# Altium PCB CRD25DA12N-FMC V1.1 (07-2023).PcbDoc (part 2 of 7)
Units mil, origin at the board's own origin, x right, y up, seen from the top; angles counter-clockwise.
Board outline 8000 x 8000 mil, 6 copper layers (Top Layer, Layer 2, Layer 3, Layer 4, Layer 5, Bottom Layer), stack 91 mil thick; 542 components, 315 nets, 1585 pads, 558 vias.
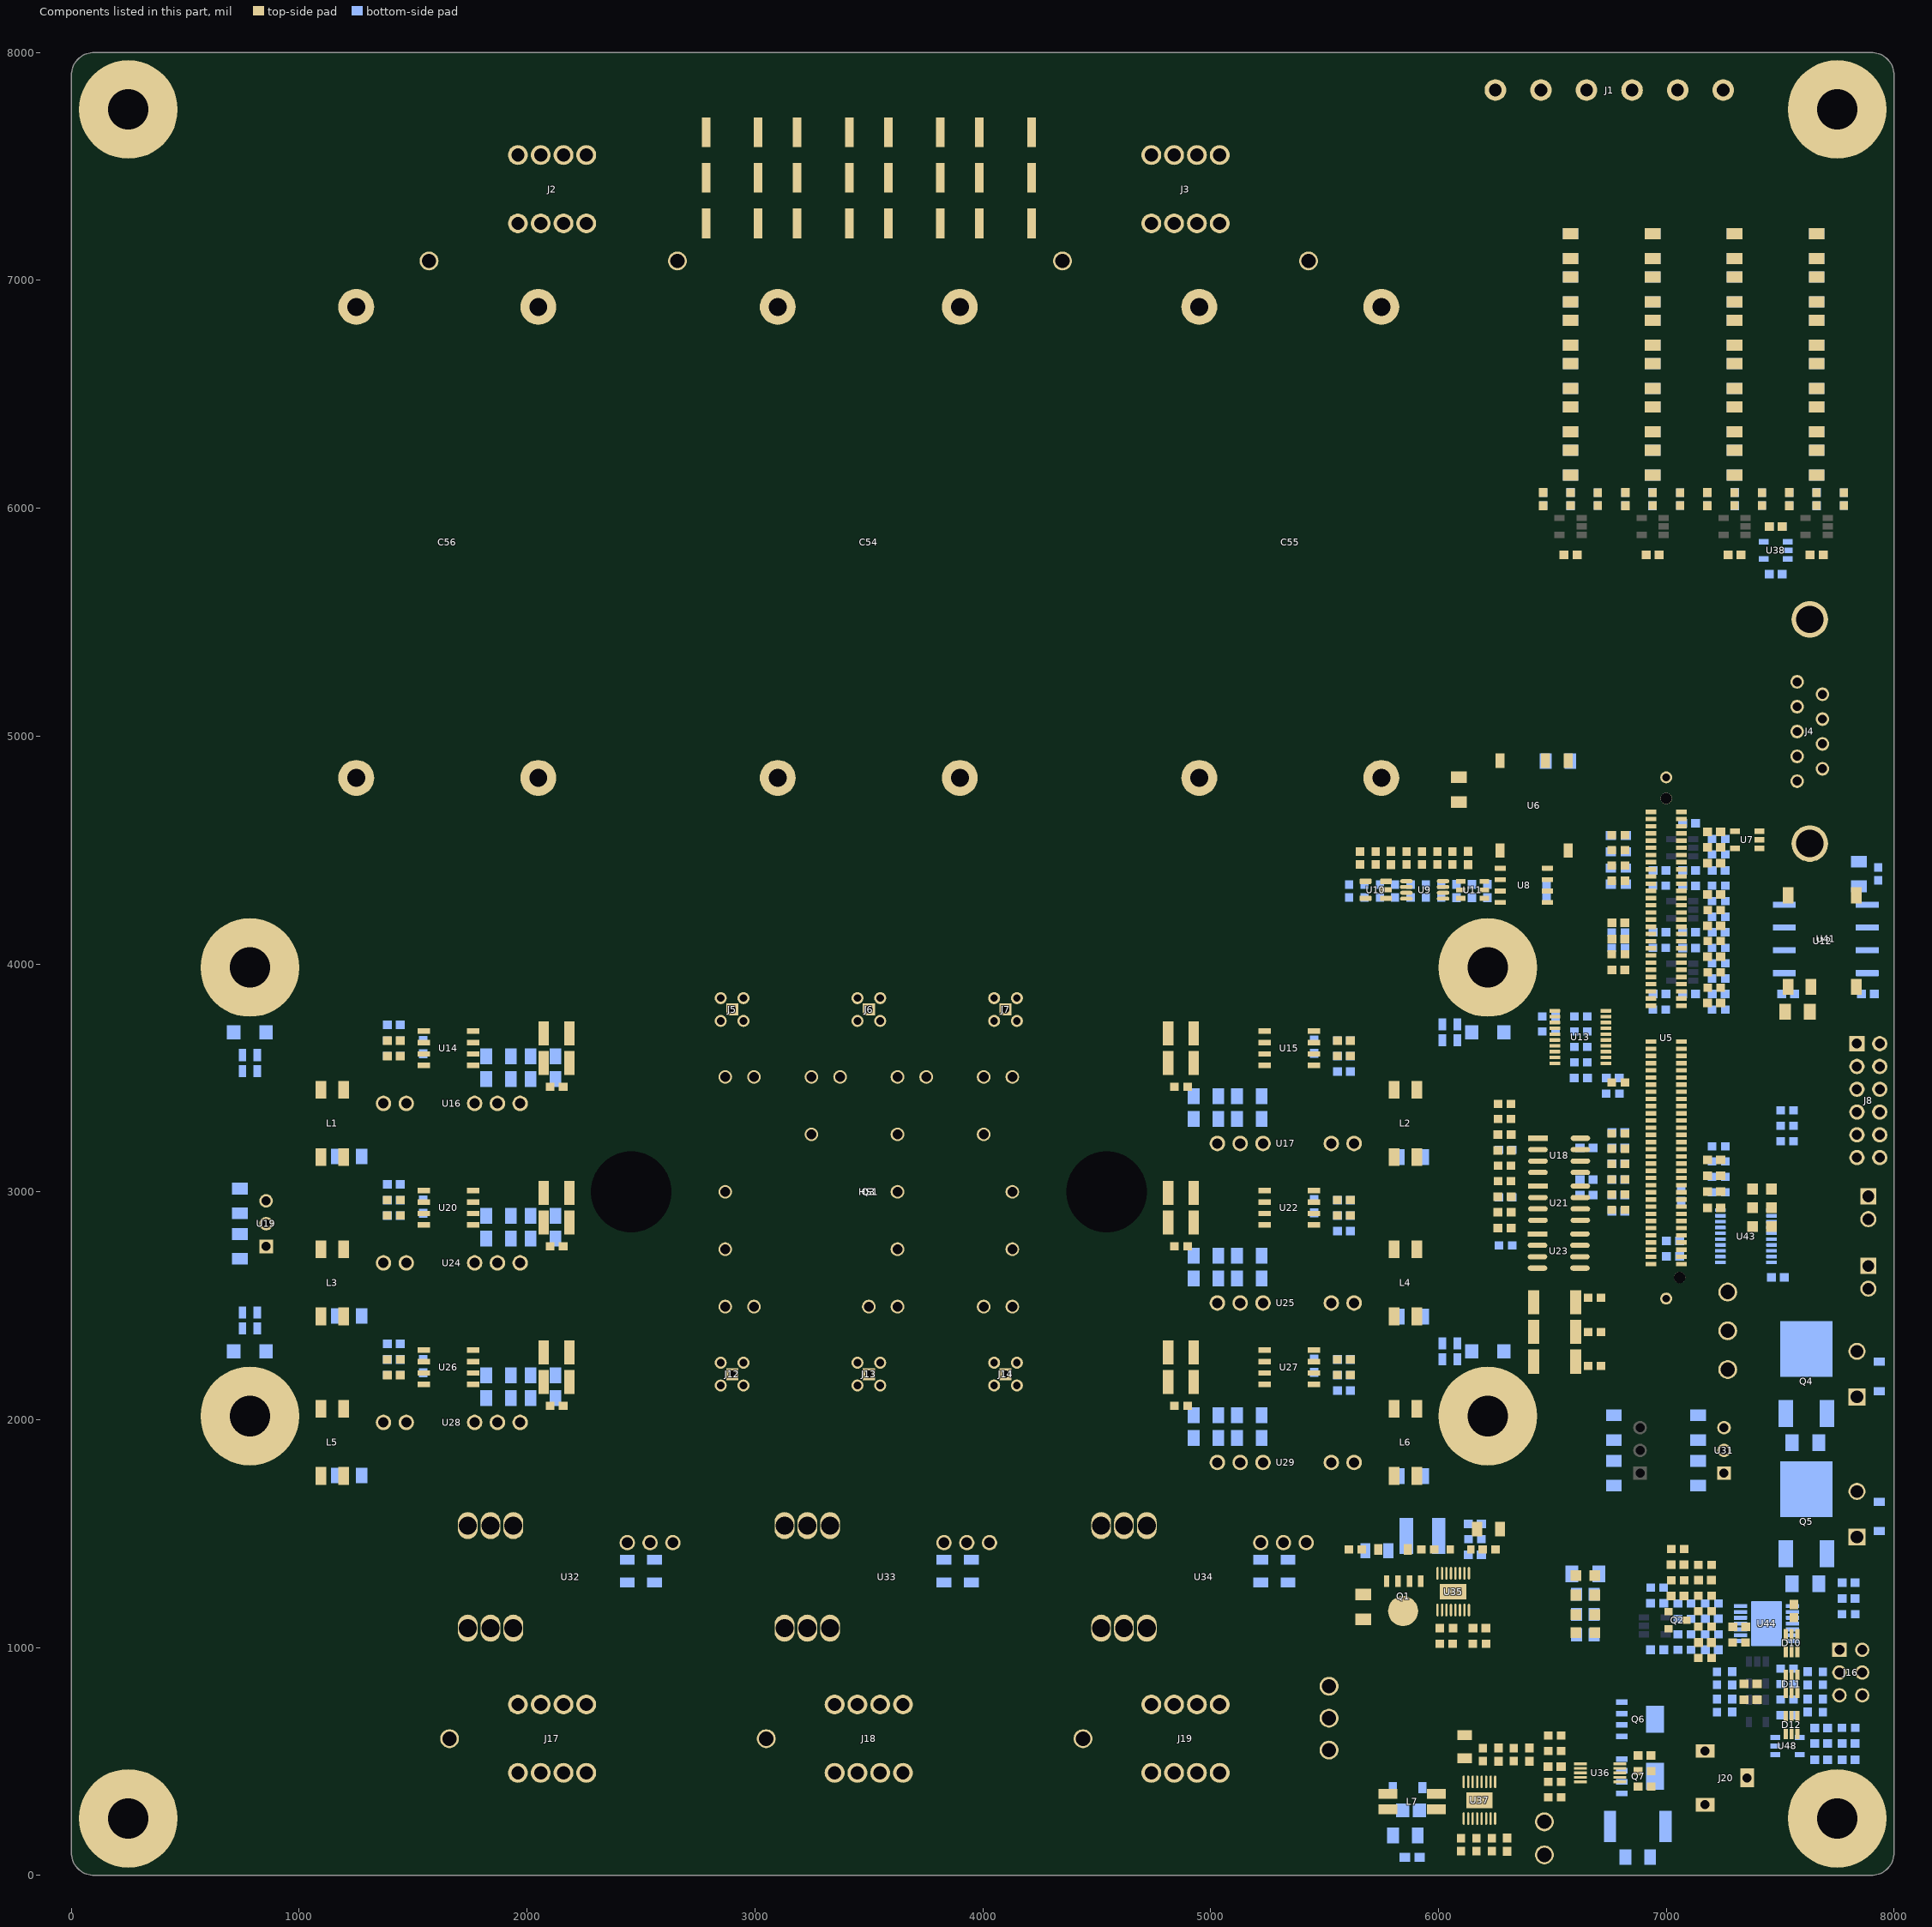
[diagram p6: the components of this part, seen from the top]

## Footprints (in the part's own frame and the unit in brackets; to place one, negate y for a bottom-side part, rotate by r counter-clockwise, add the part's x,y. Pads: shape width x height; smd on the part's side, far side on the other; paste and mask are expansions set on the pad) (continued)
CONV_R-78E5.0-1.0 [mm]
  rect 1.508x1.508 hole 1: 1(-2.54,-2.25)
  round 1.508 hole 1: 2(0,-2.25) 3(2.54,-2.25)
  silkscreen extent -6.5,-4.25 5.75,4.25, body extent -5.8,-4.25 5.8,4.25, height 9.9
CUI-PJ-102B_V [mm] "THD, 3-Leads, Body 14.4x9mm, Height 11mm"
  rect 1.5x2.1 hole 1 slot 1.6 at 90 deg: 1(-3,0) 2(3,0)
  rect 2.1x1.5 hole 1 slot 1.6 at 0 deg: 3(0,4.7)
  silkscreen extent -4.42,-4.5 10.7,4.9, body extent -3.7,-4.5 10.7,4.9, height 11
D0008B_HV [mm]
  rect 1.4x0.6 smd paste+0 mask+0: 1(-2.75,1.905) 2(-2.75,0.635) 3(-2.75,-0.635) 4(-2.75,-1.905) 5(2.75,-1.905) 6(2.75,-0.635) 7(2.75,0.635) 8(2.75,1.905)
  silkscreen extent -3.3,-2.5 0.9,3.35, body extent -3.01,-2.45 3.01,2.45, height 1.63
D0008B_L [mm] "SOIC, 8-Leads, Body 5x4mm, Pitch 1.27mm, IPC High Density"
  rrect18% 1.25x0.55 smd: 1(-2.625,1.905) 2(-2.625,0.635) 3(-2.625,-0.635) 4(-2.625,-1.905) 5(2.625,-1.905) 6(2.625,-0.635) 7(2.625,0.635) 8(2.625,1.905)
  silkscreen extent -2.75,-2.5 1.6,2.85, body extent -3,-2.45 3,2.45, height 1.63
DUB0008A_M [mm] "SOP, 8-Leads, Body 6.7x9.6mm, Pitch 2.54mm, IPC Low Density"
  rrect14% 2.55x0.7 smd: 1(-4.625,3.81) 2(-4.625,1.27) 3(-4.625,-1.27) 4(-4.625,-3.81) 5(4.625,-3.81) 6(4.625,-1.27) 7(4.625,1.27) 8(4.625,3.81)
  silkscreen extent -4.75,-4.8 2.95,4.83, body extent -5.24,-4.75 5.24,4.75, height 4.85
FM3_SIX-PACK_3PHASE_CRW [mm]
  round 1.524 hole 1.1: DC+_1(-6.4,-6.4) DC+_2(3.2,-6.4) DC+_3(12.8,-6.4) DC-1(-16,0) DC-2(3.2,0) DC-3(16,0) G1(-12.8,-12.8) G2(-16,12.8) G3(-3.2,-12.8) G4(3.2,12.8) G5(6.4,-12.8) G6(16,12.8) NTC1(12.8,-12.8) NTC2(16,-12.8) S1(-16,-12.8) S2(-12.8,12.8) S3(-6.4,-12.8) S4(0,12.8) S5(3.2,-12.8) S6(12.8,12.8) U(-16,6.4) V(3.2,6.4) W(16,6.4)
  round 0 hole 9 unplated: MH1(-26.5,0) MH2(26.5,0)
  Bottom Layer keep-out circle w0.254: c-16,-12.8 r5
  Bottom Layer keep-out circle w0.254: c-12.8,-12.8 r5
  Bottom Layer keep-out circle w0.254: c-6.4,-12.8 r5
  Bottom Layer keep-out circle w0.254: c-3.2,-12.8 r5
  Bottom Layer keep-out circle w0.254: c3.2,-12.8 r5
  Bottom Layer keep-out circle w0.254: c6.4,-12.8 r5
  Bottom Layer keep-out circle w0.254: c12.997,-12.859 r5
  Bottom Layer keep-out circle w0.254: c16,-12.8 r5
  Bottom Layer keep-out circle w0.254: c16,12.8 r5
  Bottom Layer keep-out circle w0.254: c12.8,12.8 r5
  Bottom Layer keep-out circle w0.254: c3.2,12.8 r5
  Bottom Layer keep-out circle w0.254: c0,12.8 r5
  Bottom Layer keep-out circle w0.254: c-12.8,12.8 r5
  Bottom Layer keep-out circle w0.254: c-16,12.8 r5
  silkscreen extent -31.52,-16.88 31.52,16.88, body extent -31.4,-16.9 31.4,16.9, height 11.98
FP-73415-1471-MFG [mm]
  rect 1.34x1.34 hole 0.84 paste-1000 mask+0: 1(0.01,0)
  round 1.34 hole 0.84 paste-1000 mask+0: 2(-1.27,1.27) 3(1.27,1.27) 4(-1.27,-1.27) 5(1.27,-1.27)
  silkscreen extent -2.54,-1.82 1.82,1.82, body extent -2.04,-2.04 2.04,2.04, height 0.25
FP-61301221121-MFG [mm]
  rect 1.7x1.7 hole 1.1 paste-1000 mask+0: 1(-6.35,-1.27)
  round 1.7 hole 1.1 paste-1000 mask+0: 2(-6.35,1.27) 3(-3.81,-1.27) 4(-3.81,1.27) 5(-1.27,-1.27) 6(-1.27,1.27) 7(1.27,-1.27) 8(1.27,1.27) 9(3.81,-1.27) 10(3.81,1.27) 11(6.35,-1.27) 12(6.35,1.27)
  silkscreen extent -8.38,-2.62 7.77,2.62, body extent -7.87,-2.72 7.87,2.72, height 0.25
FP-APTR3216SECK-MFG [mm]
  rect 1.5x1.6 smd paste+0 mask+0: 1(-1.8,0) 2(1.8,0)
  silkscreen extent -3.3,-1.4 1.9,1.4, body extent -1.6,-0.8 1.6,0.8, height 1.1
FP-C0603C-CF-IPC_B [mil]
  rect 39.63x37.73 smd paste+0 mask+0: 1(-28.58,0) 2(28.58,0)
  silkscreen extent -48,-35 48,35, body extent -31,-16 31,16, height 34
FP-CL21-IPC_A [mil]
  rect 57.27x61.27 smd paste+0 mask+0: 1(-36.45,0) 2(36.45,0)
  silkscreen extent -65,-46 65,46, body extent -39,-25 39,25, height 57
FP-CL31-IPC_B [mil]
  rect 51.4x69.22 smd paste+0 mask+0: 1(-54.19,0) 2(54.19,0)
  silkscreen extent -17,-35 17,35, body extent -63,-31 63,31, height 55
FP-CL31-IPC_C [mil]
  rect 43.52x65.28 smd paste+0 mask+0: 1(-50.25,0) 2(50.25,0)
  silkscreen extent -17,-34 17,34, body extent -76,-38 76,38, height 10
FP-CRGCQ0603-IPC_A [mil]
  rect 45.6x39.85 smd paste+0 mask+0: 1(-32.56,0) 2(32.56,0)
  silkscreen extent -55,-36 55,36, body extent -31,-16 31,16, height 22
FP-CRGP2512-IPC_C [mil]
  rect 37.72x130.17 smd paste+0 mask+0: 1(-114.25,0) 2(114.25,0)
  silkscreen extent -84,-67 84,67, body extent -125,-63 125,63, height 26
FP-D0008A-IPC_B [mil]
  rect 85.4x22.92 smd paste+0 mask+0: 1(-93.06,75)
  rrect100% 85.4x22.92 smd paste+0 mask+0: 2(-93.06,25) 3(-93.06,-25) 4(-93.06,-75) 5(93.06,-75) 6(93.06,-25) 7(93.06,25) 8(93.06,75)
  silkscreen extent -162,-97 31,97, body extent -146,-106 146,106, height 10
FP-DDC0005A-MFG [mm]
  rect 1.1x0.6 smd paste+0 mask+0: 1(-1.35,0.95) 2(-1.35,0) 3(-1.35,-0.95) 4(1.35,-0.95) 5(1.35,0.95)
  silkscreen extent -2.6,-1.53 0.87,1.53, body extent -2,-1.63 2,1.63, height 0.25
FP-GCM188-0_1-IPC_A [mil]
  rect 45.62x39.85 smd paste+0 mask+0: 1(-32.55,0) 2(32.55,0)
  silkscreen extent -55,-36 55,36, body extent -31,-16 31,16, height 35
FP-LTST-C171GKT-MFG [mm]
  rect 1.2x1.2 smd paste+0 mask+0: 1(-1.05,0) 2(1.05,0)
  silkscreen extent -2.37,-1.05 1.05,1.05, body extent -1.75,-0.77 1.75,0.77, height 0.25
FP-LTST-C171GKT-MFG-RED [mm]
  rect 1.2x1.2 smd paste+0 mask+0: 1(-1.05,0) 2(1.05,0)
  silkscreen extent -2.37,-1.05 1.05,1.05, body extent -1,-0.63 1,0.63, height 0.8
FP-LTST-C171GKT-MFG-YELLOW [mm]
  rect 1.2x1.2 smd paste+0 mask+0: 1(-1.05,0) 2(1.05,0)
  silkscreen extent -2.37,-1.05 1.05,1.05, body extent -1,-0.63 1,0.63, height 0.8
FP-MCR03-IPC_B [mil]
  rect 37.72x35.91 smd paste+0 mask+0: 1(-28.62,0) 2(28.62,0)
  silkscreen extent -47,-34 47,34, body extent -31,-16 31,16, height 22
FP-MCR10-IPC_A [mil]
  rect 49.53x57.56 smd paste+0 mask+0: 1(-38.46,0) 2(38.46,0)
  silkscreen extent -63,-45 63,45, body extent -39,-25 39,25, height 26
FP-MCR18-IPC_A [mil]
  rect 57.31x73.16 smd paste+0 mask+0: 1(-59.1,0) 2(59.1,0)
  silkscreen extent -19,-37 19,37, body extent -63,-31 63,31, height 26
FP-NR5040-H_4_1-MFG [mm]
  rect 1.5x4 smd paste+0 mask+0: 1(-1.8,0) 2(1.8,0)
  silkscreen extent -2.55,-2.55 2.55,2.55, body extent -2.45,-2.45 2.45,2.45, height 4.1
FP-PowerDI5060-8-MFG [mm]
  rect 0.61x1.27 smd paste+0 mask+0: 1(-1.905,-2.67) 2(-0.635,-2.67) 3(0.635,-2.67) 4(1.905,-2.67)
  rect 3x2 smd paste+0 mask+0: 5(0,1.05)
  Top Layer region: 2.05,-1.215 -2.05,-1.215 -2.05,-1.035 -2.805,-1.035 -2.805,-0.435 -2.05,-0.435 -2.05,1.39 -2.805,1.39 -2.805,1.99 -2.05,1.99 -2.05,2.285 -2.21,2.285 -2.21,3.305 -1.6,3.305 -1.6,2.595 -0.94,2.595 -0.94,3.305 -0.33,3.305 -0.33,2.595 0.33,2.595 0.33,3.305 0.94,3.305 0.94,2.595 1.6,2.595 1.6,3.305 2.21,3.305 2.21,2.285 2.05,2.285 2.05,1.99 2.805,1.99 2.805,1.39 2.05,1.39 2.05,-0.435 2.805,-0.435 2.805,-1.035 2.05,-1.035
  silkscreen extent -3.2,-2.73 2.55,-1.59, body extent -2.58,-3.08 2.58,3.08, height 1.15
FP-PWP0014H-MFG [mm]
  rrect22% 1.5x0.45 smd paste+0 mask+0: 1(-2.9,1.95) 2(-2.9,1.3) 3(-2.9,0.65) 4(-2.9,0) 5(-2.9,-0.65) 6(-2.9,-1.3) 7(-2.9,-1.95) 8(2.9,-1.95) 9(2.9,-1.3) 10(2.9,-0.65) 11(2.9,0) 12(2.9,0.65) 13(2.9,1.3) 14(2.9,1.95)
  rrect3% 3.4x5 smd paste-1000 mask-1000: 15(0,0)
  silkscreen extent -4.35,-2.6 2.25,2.6, body extent -3.2,-2.5 3.2,2.5, height 1.2
FP-R1SE-0505-R-MFG [mm]
  rect 1.8x1.2 smd paste+0 mask+0: 1(-5.1,3.81) 2(-5.1,1.27) 4(-5.1,-3.81) 5(5.1,-3.81) 8(5.1,3.81)
  silkscreen extent -6.77,-6.5 5.35,6.5, body extent -6.1,-6.6 6.1,6.6, height 0.25
FP-RL2512-IPC_A [mil]
  rect 53.47x136.15 smd paste+0 mask+0: 1(-122.13,0) 2(122.13,0)
  silkscreen extent -84,-68 84,68, body extent -123,-63 127,63, height 26
FP-S17-0173-SINGLE-MFG [mm]
  rect 1.27x0.61 smd paste+0 mask+0: 1(-2.67,1.905) 2(-2.67,0.635) 3(-2.67,-0.635) 4(-2.67,-1.905)
  round 3.356 smd paste+0 mask+0: 5-6-7-8(0.65,-0.069)
  Top Layer region: -1.215,1.955 2.285,1.955 2.285,2.21 3.305,2.21 3.305,1.6 2.595,1.6 2.595,0.94 3.305,0.94 3.305,0.33 2.595,0.33 2.595,-0.33 3.305,-0.33 3.305,-0.94 2.595,-0.94 2.595,-1.6 3.305,-1.6 3.305,-2.21 2.285,-2.21 2.285,-1.955 -1.215,-1.955
  silkscreen extent -4.02,-2.59 3,2.59, body extent -3.4,-2.73 3.4,2.73, height 0.25
FP-USC-MFG [mm]
  rect 0.8x0.9 smd paste+0 mask+0: 1(-1.15,0) 2(1.15,0)
  silkscreen extent -2.22,-0.72 0.38,0.72, body extent -1.65,-0.82 1.65,0.82, height 0.25
KSTN-5010_V [mm] "Test Point, Dia 3.17mm"
  round 2.1 hole 1.6: 1(0,0)
  silkscreen extent -1.59,-1.58 1.59,1.58, body extent -1.59,-1.59 1.59,1.59, height 8.13
KSTN-5011_V [mm] "Test Point, Dia 3.17mm"
  round 2.1 hole 1.6: 1(0,0)
  silkscreen extent -1.59,-1.58 1.59,1.58, body extent -1.59,-1.59 1.59,1.59, height 8.13
KSTN-5012_V [mm] "Test Point, Dia 3.17mm"
  round 2.1 hole 1.6: 1(0,0)
  silkscreen extent -1.59,-1.58 1.59,1.58, body extent -1.59,-1.59 1.59,1.59, height 8.13
L717SDE09PA4CH4RC309 [mm] "CONN D-SUB PLUG 9POS R/A SLDR"
  round 1.508 hole 1: 1(-5.54,1.42) 2(-2.77,1.42) 3(0,1.42) 4(2.77,1.42) 5(5.54,1.42) 6(-4.155,-1.42) 7(-1.385,-1.42) 8(1.385,-1.42) 9(4.155,-1.42)
  round 4.066 hole 3.05: 10(-12.495,0) 11(12.495,0)
  silkscreen extent -15.7,-8.5 15.7,3.4, body extent -15.4,-15.6 15.41,3, height 12.55
"LA 6 150 12" [mm]
  round 11 hole 4.5: 1(-69,25) 2(69,25) 3(-69,-25) 4(69,-25)
  body extent -104.53,-31.05 74.97,30.95, height 86.05
"LAH 50-P" [mil]
  oval 118.74x86.61 hole 78.74 mask+7.87: 1(235,370) 2(235,270) 3(235,170) 5(-215,270) 6(-215,170)
  oval 118.74x86.61 hole 78.74 paste+0 mask+7.87: 4(-215,370)
  round 67.24 hole 47.24: 7(160,-330) 8(160,-430) 9(160,-530)
  silkscreen extent -285,-635 305,675, body extent -284,-636 304,675, height 790
LT-MSE-16-EDP_L [mm] "SOP, 16-Leads, Body 4.1x3.1mm, Pitch 0.5mm, Thermal Pad 2.95x1.76mm, IPC High Density"
  oval 1.4x0.25 smd: 1(-2.05,1.75) 2(-2.05,1.25) 3(-2.05,0.75) 4(-2.05,0.25) 5(-2.05,-0.25) 6(-2.05,-0.75) 7(-2.05,-1.25) 8(-2.05,-1.75) 9(2.05,-1.75) 10(2.05,-1.25) 11(2.05,-0.75) 12(2.05,-0.25) 13(2.05,0.25) 14(2.05,0.75) 15(2.05,1.25) 16(2.05,1.75)
  rect 1.76x2.95 smd: 17(0,0)
  silkscreen extent -2.17,-2.08 0.95,2.55, body extent -1.55,-2.05 1.55,2.05, height 1.1
MGJ2D121509SC [mm]
  round 1.725 hole 1.15: 1(-7.62,2.23) 2(-5.08,2.23) 5(2.54,2.23) 6(5.08,2.23) 7(7.62,2.23)
  silkscreen extent -10.52,-4.9 9.75,4.9, body extent -9.9,-5.09 9.6,4.73, height 13.09
MH_M4_P [mm] "M4 plated mounting hole"
  round 11 hole 4.5: 1(0,0)
  body extent -4,-4.62 4,4.62, height 102.05
MSD7342682MLC [mm]
  rect 1.1x2.1 smd: 1(0.85,2.7) 2(-0.85,2.7) 3(-0.85,-2.7) 4(0.85,-2.7)
  silkscreen extent -3.75,-3.75 3.75,4.25, body extent -3.75,-3.75 3.75,3.75, height 4.7
MSOP-MS8_L [mm] "TSOP, 8-Leads, Body 3x3mm, Pitch 0.65mm, IPC High Density"
  oval 1.4x0.45 smd: 1(-2.05,0.975) 2(-2.05,0.325) 3(-2.05,-0.325) 4(-2.05,-0.975) 5(2.05,-0.975) 6(2.05,-0.325) 7(2.05,0.325) 8(2.05,0.975)
  silkscreen extent -2.17,-1.55 0.95,1.87, body extent -1.55,-1.55 1.55,1.55, height 1.1
ONSC-DPAK-3-369C-01_V [mm] "DPAK, 3-Leads, Body 6.54x6.095mm, Pitch 2.29mm"
  rect 3x1.6 smd: 1(-4.4,2.29) 3(-4.4,-2.29)
  rect 6.2x5.8 smd: 4(2.8,0)
  silkscreen extent -4.52,-3.27 -0.45,3.77, body extent -1.6,-3.27 4.49,3.27, height 2.38
ONSC-SOD-123FL-2-498-01_V [mm] "SOD, 2-Leads, Body 2.7x1.65mm"
  rect 0.91x1.22 smd: 1(-1.635,0) 2(1.635,0)
  silkscreen extent -1.76,-0.82 0.78,1.28, body extent -1.35,-0.82 1.35,0.82, height 1
ONSC-SOT-23-3-318-08_V [mm] "SOT23, 3-Leads, Body 2.92x1.3mm, Pitch 0.95mm"
  rect 0.9x0.8 smd: 1(-1,0.95) 2(-1,-0.95) 3(1,0)
  silkscreen extent -1.12,-1.46 0.65,2.02, body extent -0.65,-1.46 0.65,1.46, height 1.11
PW0020A_L [mm] "SOP, 20-Leads, Body 6.6x4.5mm, Pitch 0.65mm, IPC High Density"
  rrect25% 1.2x0.4 smd: 1(-2.85,2.925) 2(-2.85,2.275) 3(-2.85,1.625) 4(-2.85,0.975) 5(-2.85,0.325) 6(-2.85,-0.325) 7(-2.85,-0.975) 8(-2.85,-1.625) 9(-2.85,-2.275) 10(-2.85,-2.925) 11(2.85,-2.925) 12(2.85,-2.275) 13(2.85,-1.625) 14(2.85,-0.975) 15(2.85,-0.325) 16(2.85,0.325) 17(2.85,0.975) 18(2.85,1.625) 19(2.85,2.275) 20(2.85,2.925)
  silkscreen extent -2.98,-3.3 1.85,3.8, body extent -3.21,-3.25 3.21,3.25, height 1
RESC2010(5025)_N [mm] "Chip Resistor, Body 5.0x2.5mm, IPC Medium Density"
  rect 1.25x2.7 smd: 1(-2.35,0) 2(2.35,0)
  silkscreen extent -1.35,-1.25 1.35,1.25, body extent -2.6,-1.35 2.6,1.35, height 0.71
RESC2013X50X30LL20T20 [mm] "Chip Resistor, 2-Leads, Body 2.00x1.25mm, IPC High Density"
  rect 0.85x1.35 smd: 1(-0.825,0) 2(0.825,0)
  silkscreen extent -0.1,-0.58 0.1,0.58, body extent -1.1,-0.72 1.1,0.72, height 0.5
RESC3125X70X40NL20T20 [mm] "Chip Resistor, 2-Leads, Body 3.10x2.50mm, IPC Medium Density"
  rect 1.15x2.7 smd: 1(-1.425,0) 2(1.425,0)
  silkscreen extent -0.45,-1.25 0.45,1.25, body extent -1.65,-1.35 1.65,1.35, height 0.7
RESC3216X65X50NL15T25 [mm] "Chip Resistor, 2-Leads, Body 3.20x1.60mm, IPC Medium Density"
  rect 1.25x1.75 smd: 1(-1.4,0) 2(1.4,0)
  silkscreen extent -0.4,-0.77 0.4,0.77, body extent -1.68,-0.87 1.68,0.87, height 0.65
SOP50P490X110-10N [mm]
  rect 1.425x0.3 smd: 1(-2.212,1) 2(-2.212,0.5) 3(-2.212,0) 4(-2.212,-0.5) 5(-2.212,-1) 6(2.212,-1) 7(2.212,-0.5) 8(2.212,0) 9(2.212,0.5) 10(2.212,1)
  silkscreen extent -2.92,-1.5 1.15,1.5, body extent -2.45,-1.5 2.45,1.5, height 1.1
SOT65P222X120-6N [mm]
  rect 1.15x0.45 smd: 1(-1,0.65) 2(-1,0) 3(-1,-0.65) 4(1,-0.65) 5(1,0) 6(1,0.65)
  silkscreen extent -1.58,-1 0.08,1.22, body extent -1.11,-1 1.11,1, height 1.2
SOT95P280X100-6N [mm]
  rect 1.05x0.55 smd: 1(-1.3,0.95) 2(-1.3,0) 3(-1.3,-0.95) 4(1.3,-0.95) 5(1.3,0) 6(1.3,0.95)
  silkscreen extent -1.83,-1.45 0.43,1.58, body extent -1.4,-1.45 1.4,1.45, height 1
SOT95P280X145-5N [mm]
  rrect25% 1.32x0.59 smd: 1(-1.145,0.95) 2(-1.145,0) 3(-1.145,-0.95) 4(1.145,-0.95) 5(1.145,0.95)
  silkscreen extent -2.51,-1.57 0.8,1.57, body extent -1.25,-1.5 1.25,1.5, height 1.11
TECO-640456-2_V [mm] "HDR, 2-Leads, Body 5.715x5.08mm, Pitch 2.54mm"
  rect 1.8x1.8 hole 1.3: 1(1.27,0)
  round 1.8 hole 1.3: 2(-1.27,0)
  silkscreen extent -2.54,-2.54 3.26,3.17, body extent -2.54,-2.67 2.54,3.17, height 10.09
TMDSCNCD280039C [mm]
  rect 0.5x1.2 smd paste+0 mask+0: 1(25.2,1.7) 2(25.2,-1.7) 3(24.4,1.7) 4(24.4,-1.7) 5(23.6,1.7) 6(23.6,-1.7) 7(22.8,1.7) 8(22.8,-1.7) 9(22,1.7) 10(22,-1.7) 11(21.2,1.7) 12(21.2,-1.7) 13(20.4,1.7) 14(20.4,-1.7) 15(19.6,1.7) 16(19.6,-1.7) 17(18.8,1.7) 18(18.8,-1.7) 19(18,1.7) 20(18,-1.7) 21(17.2,1.7) 22(17.2,-1.7) 23(16.4,1.7) 24(16.4,-1.7) 25(15.6,1.7) 26(15.6,-1.7) 27(14.8,1.7) 28(14.8,-1.7) 29(14,1.7) 30(14,-1.7) 31(13.2,1.7) 32(13.2,-1.7) 33(12.4,1.7) 34(12.4,-1.7) 35(11.6,1.7) 36(11.6,-1.7) 37(10.8,1.7) 38(10.8,-1.7) 39(10,1.7) 40(10,-1.7) 41(9.2,1.7) 42(9.2,-1.7) 43(8.4,1.7) 44(8.4,-1.7) 45(7.6,1.7) 46(7.6,-1.7) 47(6.8,1.7) 48(6.8,-1.7) 49(6,1.7) 50(6,-1.7) 51(5.2,1.7) 52(5.2,-1.7) 53(4.4,1.7) 54(4.4,-1.7) 55(3.6,1.7) 56(3.6,-1.7) 57(-0.4,1.7) 58(-0.4,-1.7) 59(-1.2,1.7) 60(-1.2,-1.7) 61(-2,1.7) 62(-2,-1.7) 63(-2.8,1.7) 64(-2.8,-1.7) 65(-3.6,1.7) 66(-3.6,-1.7) 67(-4.4,1.7) 68(-4.4,-1.7) 69(-5.2,1.7) 70(-5.2,-1.7) 71(-6,1.7) 72(-6,-1.7) 73(-6.8,1.7) 74(-6.8,-1.7) 75(-7.6,1.7) 76(-7.6,-1.7) 77(-8.4,1.7) 78(-8.4,-1.7) 79(-9.2,1.7) 80(-9.2,-1.7) 81(-10,1.7) 82(-10,-1.7) 83(-10.8,1.7) 84(-10.8,-1.7) 85(-11.6,1.7) 86(-11.6,-1.7) 87(-12.4,1.7) 88(-12.4,-1.7) 89(-13.2,1.7) 90(-13.2,-1.7) 91(-14,1.7) 92(-14,-1.7) 93(-14.8,1.7) 94(-14.8,-1.7) 95(-15.6,1.7) 96(-15.6,-1.7) 97(-16.4,1.7) 98(-16.4,-1.7) 99(-17.2,1.7) 100(-17.2,-1.7) 101(-18,1.7) 102(-18,-1.7) 103(-18.8,1.7) 104(-18.8,-1.7) 105(-19.6,1.7) 106(-19.6,-1.7) 107(-20.4,1.7) 108(-20.4,-1.7) 109(-21.2,1.7) 110(-21.2,-1.7) 111(-22,1.7) 112(-22,-1.7) 113(-22.8,1.7) 114(-22.8,-1.7) 115(-23.6,1.7) 116(-23.6,-1.7) 117(-24.4,1.7) 118(-24.4,-1.7) 119(-25.2,1.7) 120(-25.2,-1.7)
  round 1.34 hole 0.84 paste-1000 mask+0: 121(-29.05,0) 122(29.05,0)
  round 1.27 hole 1.27 unplated paste-1000 mask+0: ""(-26.7,-1.5) ""(26.7,0)
  silkscreen extent -33.55,-4.25 33.55,3.56, body extent -33.87,-4.89 34.67,5.68, height 57.35
TRACO-TES1-5_V [mm] "SMD, 5-Leads, Body 13.7x8.0mm"
  rect 1.6x1 smd paste+0: 1(-5,3.81) 2(-5,1.27) 4(-5,-3.81) 5(5,-3.81) 8(5,3.81)
  silkscreen extent -5.12,-6.85 3.8,6.85, body extent -5.5,-6.95 5.5,6.95, height 7.15
WE-SL2 [mm] "SMD Inductor, 4-Leads, Body 6.3 x 9.5 mm"
  rect 2x1.2 smd: 1(-3.75,1.27) 2(-3.75,-1.27) 3(3.75,-1.27) 4(3.75,1.27)
  silkscreen extent -4.7,-3.18 4.7,3.18, body extent -4.6,-3 4.6,3, height 5
